# Altium PCB PCB_15122020_01CA.PcbDoc (part 4 of 5)
Units mm, origin at the board's own origin, x right, y up, seen from the top; angles counter-clockwise.
Board outline 139.36 x 118 mm, 4 copper layers (Top Layer, Layer 1, Layer 2, Bottom Layer), stack 1.57 mm thick; 384 components, 409 nets, 1580 pads, 1084 vias.
Unrouted connection lines stored in the file: 7.
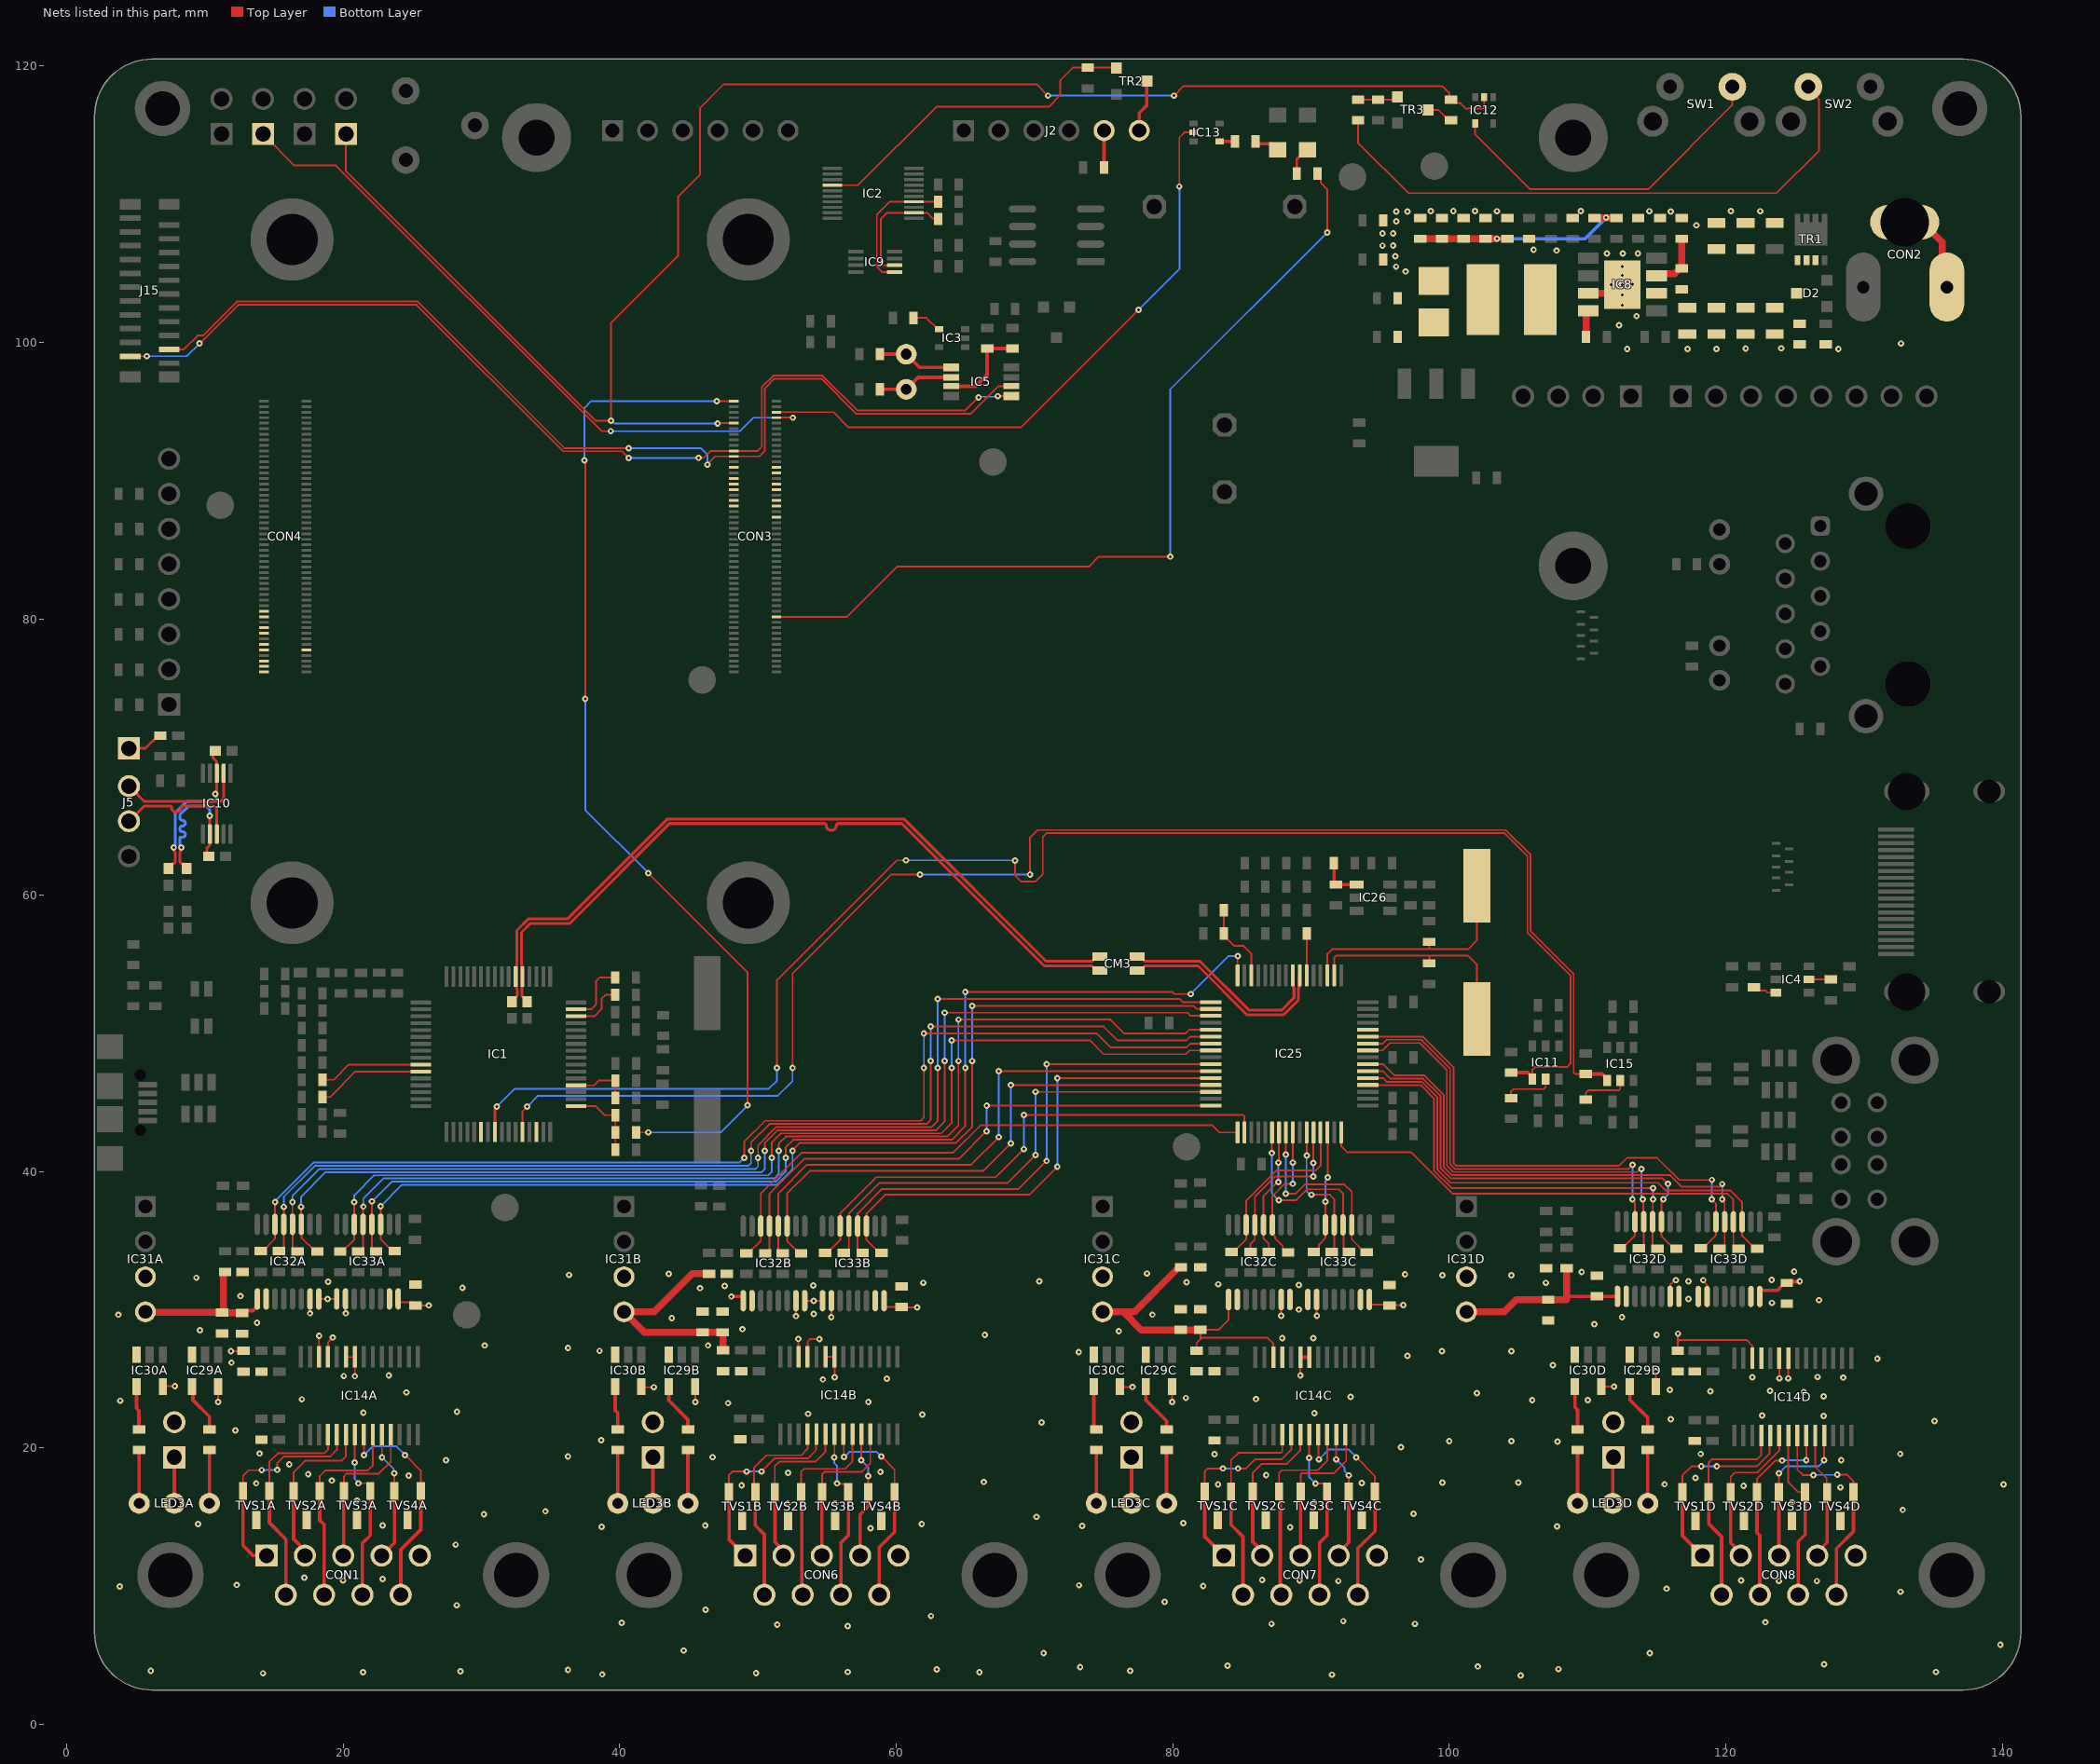
[diagram p6: the nets of this part, all layers, seen from the top]

## Via types
v1: diameter 0.46, hole 0.2, Top Layer to Bottom Layer, tented both sides, 1072 vias
v2: diameter 1.27, hole 0.711, Top Layer to Bottom Layer, tented both sides, 12 vias

## Nets (pads, with @x,y where several pads share a name; then routed paths per layer and width w, separated by ;. In a path a pad name is that pad's centre, name@x,y a point inside that pad or via, vN(x,y) a via of type N, cw(c..) or ccw(c..) an arc to the next point about the centre after c; other vN are vias at no path point) (continued)
NetIC1_26: IC1.26 R3.1 | length 7.6
  Top Layer w0.127: R3.1@18.496,46.65 19.321,46.65 20.415,47.744 IC1.26@25.608,47.744
NetIC1_27: IC1.27 R2.1 | length 7.9
  Top Layer w0.127: R2.1@18.496,45.4 19.046,45.4 20.89,47.244 IC1.27@25.608,47.244
NetIC1_52: IC1.52 R75.1 R76.1 | length 4.3
  Top Layer w0.127: IC1.52@36.834,46.244 38.144,46.244 38.5,46.6 39.674,46.6 R75.1@39.687,46.587 R76.1@39.687,45.337
NetIC1_62: IC1.62 R67.1 | length 3.9
  Top Layer w0.127: IC1.62@36.834,51.244 38.174,51.244 38.69,51.761 38.69,52.505 38.981,52.796 R67.1@39.671,52.796
NetIC1_63: IC1.63 R66.1 | length 4.8
  Top Layer w0.127: IC1.63@36.834,51.744 37.944,51.744 38.3,52.1 38.3,53.8 38.546,54.046 R66.1@39.671,54.046
NetIC3_4: IC3.4 R78.1 | length 2.2
  Top Layer w0.127: R78.1@61.25,101.775 62.185,101.775 63.01,100.95 IC3.4@63.1,100.95
NetIC4_3: IC4.3 R16.1 | length 1.7
  Top Layer w0.127: R16.1@122.051,53.35 122.288,53.114 122.871,53.114 123.034,52.95 IC4.3@123.625,52.95
NetIC4_5: IC4.5 R17.2 | length 1.6
  Top Layer w0.127: IC4.5@126.025,53.9 R17.2@127.611,53.9
NetIC8_3: IC8.3 R28.1 R30.1 | length 4.2
  Top Layer w0.5: IC8.3@114.989,104.825 115.14,104.976 116.3,104.976 116.674,105.35 R28.1@116.824,105.35 R30.1@116.824,107.5
NetIC8_8: IC8.8 L1.1 R26.2 | length 2
  Top Layer w0.5: R26.2@109.899,100.4 109.899,102.134 110.05,102.285 IC8.8@110.059,102.285
NetIC11_5: IC11.5 R71.1 | length 3.7
  Top Layer w0.127: R71.1@104.475,45.321 104.475,45.8 104.646,45.971 106.846,45.971 106.975,46.1 IC11.5@106.975,46.69
NetIC12_4: IC12.4 SW1.1 | length 24.9
  Top Layer w0.127: IC12.4@101.877,115.843 101.877,115.048 105.85,111.075 114.393,111.075 120.475,117.157 SW1.1@120.475,118.5
NetIC13_4: IC13.4 R47.2 | length 1.1
  Top Layer w0.254: IC13.4@83.405,114.545 R47.2@84.502,114.545
NetIC15_5: IC15.5 R73.1 | length 3.7
  Top Layer w0.127: R73.1@109.873,45.225 109.873,45.7 110.073,45.9 112.285,45.9 112.355,45.971 112.355,45.986 112.373,46.004 IC15.5@112.373,46.594
NetIC25_6: IC25.6 R111.2 | length 3
  Top Layer w0.127: IC25.6@89.687,54.201 89.687,57.201 R111.2@89.707,57.221
NetIC25_14: IC25.14 R109.2 R110.2 | length 5.9
  Top Layer w0.127: R109.2@83.707,58.921 R110.2@83.707,57.221 83.707,57.071 84.428,56.35 85.1,56.35 85.687,55.763 IC25.14@85.687,54.201
NetIC26_1: IC26.1 R112.1 R115.1 | length 3.1
  Top Layer w0.254: R112.1@91.666,62.321 91.666,60.921 R115.1@91.816,60.771 IC26.1@93.316,60.771
NetIC29A_4: IC29A.4 R55A.2 | length 3.6
  Top Layer w0.254: IC29A.4@9.05,24.45 9.131,24.369 9.131,23.469 10.325,22.275 R55A.2@10.325,21.35
NetIC29B_4: IC29B.4 R55B.2 | length 3.7
  Top Layer w0.254: IC29B.4@43.55,24.45 43.55,23.45 44.937,22.063 R55B.2@44.937,21.35
NetIC29C_4: IC29C.4 R55C.2 | length 3.7
  Top Layer w0.254: IC29C.4@78.05,24.45 78.056,24.444 78.056,23.469 79.556,21.969 R55C.2@79.556,21.35
NetIC29D_4: IC29D.4 R55D.2 | length 3.6
  Top Layer w0.254: IC29D.4@113.05,24.45 113.081,24.419 113.081,23.469 114.365,22.185 R55D.2@114.365,21.35
NetIC30A_4: IC30A.4 R62A.1 | length 3.2
  Top Layer w0.254: IC30A.4@5.049,24.45 5.049,22.876 5.225,22.7 R62A.1@5.225,21.35
NetIC30B_4: IC30B.4 R62B.1 | length 3.2
  Top Layer w0.254: IC30B.4@39.668,24.45 39.668,22.732 39.857,22.543 R62B.1@39.857,21.35
NetIC30C_4: IC30C.4 R62C.1 | length 3.2
  Top Layer w0.254: IC30C.4@74.286,24.45 74.286,21.523 74.459,21.35 R62C.1@74.476,21.35
NetIC30D_4: IC30D.4 R62D.1 | length 3.2
  Top Layer w0.254: IC30D.4@109.095,24.45 109.095,22.955 109.285,22.765 R62D.1@109.285,21.35
NetJ2_5: J2.5 R1.1 | length 2.7
  Top Layer w0.254: R1.1@75.025,112.65 75.03,112.655 75.03,115.32 J2.5@75.035,115.325
NetJ2_6: J2.6 TR2.3 | length 3.8
  Top Layer w0.254: J2.6@77.575,115.325 77.575,116.6 78.125,117.15 TR2.3@78.125,118.9
NetJ5_1: J5.1 R104.2 | length 2.7
  Top Layer w0.192: J5.1@4.5,70.625 5.693,70.625 6.618,71.55 R104.2@6.768,71.55
NetJ12A_1: J12A.1 LED3A.2 | length 3.3
  Top Layer w0.254: LED3A.2@7.779,16 J12A.1@7.779,19.33
NetJ12B_1: J12B.1 LED3B.2 | length 3.3
  Top Layer w0.254: LED3B.2@42.397,16 J12B.1@42.397,19.33
NetJ12C_1: J12C.1 LED3C.2 | length 3.3
  Top Layer w0.254: LED3C.2@77.016,16 J12C.1@77.016,19.33
NetJ12D_1: J12D.1 LED3D.2 | length 3.4
  Top Layer w0.254: LED3D.2@111.825,16 111.825,19.28 J12D.1@111.875,19.33
NetLED1_2: LED1.2 R47.1 | length 1.8
  Top Layer w0.254: R47.1@86.002,114.545 86.002,114.541 86.175,114.368 87.154,114.368 LED1.2@87.577,113.945
NetLED2_2: LED2.2 R48.2 | length 2.1
  Top Layer w0.192: R48.2@88.975,112.225 88.975,113.243 89.677,113.945 LED2.2@89.752,113.945
NetLED3A_1: LED3A.1 R55A.1 | length 3.9
  Top Layer w0.254: LED3A.1@10.319,16 10.319,19.844 R55A.1@10.325,19.85
NetLED3A_3: LED3A.3 R62A.2 | length 3.9
  Top Layer w0.254: R62A.2@5.225,19.85 5.239,19.836 LED3A.3@5.239,16
NetLED3B_1: LED3B.1 R55B.1 | length 3.8
  Top Layer w0.254: LED3B.1@44.937,16 R55B.1@44.937,19.85
NetLED3B_3: LED3B.3 R62B.2 | length 3.8
  Top Layer w0.254: LED3B.3@39.857,16 R62B.2@39.857,19.85
NetLED3C_1: LED3C.1 R55C.1 | length 3.8
  Top Layer w0.254: LED3C.1@79.556,16 R55C.1@79.556,19.85
NetLED3C_3: LED3C.3 R62C.2 | length 3.8
  Top Layer w0.254: LED3C.3@74.476,16 R62C.2@74.476,19.85
NetLED3D_1: LED3D.1 R55D.1 | length 3.8
  Top Layer w0.254: LED3D.1@114.365,16 R55D.1@114.365,19.85
NetLED3D_3: LED3D.3 R62D.2 | length 3.8
  Top Layer w0.254: LED3D.3@109.285,16 R62D.2@109.285,19.85
NetR44_2: R44.2 TR3.3 | length 2
  Top Layer w0.127: TR3.3@98.452,116.818 99.222,116.818 99.972,116.068 R44.2@100.122,116.068
NetR45_1: R45.1 R46.1 TR3.1 | length 2.9
  Top Layer w0.127: R45.1@93.402,117.568 R46.1@94.852,117.568 96.052,117.568 TR3.1@96.252,117.768
NetR45_2: R45.2 SW2.2 | length 42.7
  Top Layer w0.127: R45.2@93.402,116.068 93.402,114.448 97.05,110.8 123.676,110.8 126.75,113.875 126.75,117.592 125.975,118.367 SW2.2@125.975,118.5
nEXTRST: CON3.100 R91.1 | length 75.2
  Top Layer w0.127: v1(37.45,91.475) 37.5,91.425 v1(37.5,74.2) ; R91.1@41.187,42.837 41.191,42.841 v1(42.068,42.841) ; v1(42.068,61.6) 42.068,61.58 49.25,54.398 v1(49.25,44.8) ; v1(47.023,95.752) CON3.100@48.257,95.752
  Bottom Layer w0.127: v1(37.45,91.475) 37.45,95.275 37.925,95.75 47.021,95.75 v1(47.023,95.752) ; v1(37.5,74.2) 37.5,66.168 v1(42.068,61.6) ; v1(42.068,42.841) 47.291,42.841 v1(49.25,44.8)
nRPIBOOT: CON3.93 J17.1 | length 48.8
  Top Layer w0.127: J17.1@14.196,115.075 16.471,112.8 19.471,112.8 38.696,93.575 v1(39.35,93.575) ; CON3.93@51.337,94.552 v1(52.525,94.552)
  Bottom Layer w0.127: v1(39.35,93.575) 48.673,93.575 49.65,94.552 v1(52.525,94.552)
nRTC_INT: C1.1 IC5.3 R14.1 | length 6.6
  Top Layer w0.254: IC5.3@63.975,96.833 65.732,96.833 66.575,97.675 66.575,99.525 C1.1@66.6,99.55 R14.1@68.402,99.55
OSC_N1: IC1.46
OSC_N2: IC1.44 IC15.4 R72.1 | length 109.5
  Top Layer w0.127: IC1.44@32.971,42.881 32.971,44.371 v1(33.3,44.7) ; v1(52.5,47.5) 52.5,54.346 59.654,61.5 v1(61.715,61.5) ; v1(69.685,61.5) 69.685,64.185 70.219,64.719 71.452,64.719 104.089,64.719 105.889,62.92 105.889,57.4 109,54.289 109,47.194 109.13,47.064 R72.1@109.873,47.064
  Top Layer w0.254: R72.1@109.873,47.064 111.078,47.064 111.423,46.719 IC15.4@111.423,46.594
  Bottom Layer w0.127: v1(33.3,44.7) 34.096,45.496 51.436,45.496 52.5,46.56 v1(52.5,47.5) ; v1(61.715,61.5) v1(69.685,61.5)
OSC_N3: IC1.40 IC11.4 R70.1 | length 114.7
  Top Layer w0.127: v1(51.375,47.5) 51.375,53.867 60.033,62.525 v1(60.7,62.525) ; v1(68.6,62.5) 68.6,61.425 69.025,61 70.094,61 70.6,61.506 70.6,64.216 70.875,64.491 71.452,64.491 103.995,64.491 105.66,62.825 105.66,57.305 108.766,54.2 108.766,47.817 108.513,47.564 106.2,47.564 106.025,47.389 106.025,46.815 IC11.4@106.025,46.69
  Top Layer w0.206: IC1.40@30.971,42.881 30.971,44.502 31.1,44.631 v1(31.1,44.7)
  Top Layer w0.254: R70.1@104.475,47.16 105.68,47.16 IC11.4@106.025,46.815
  Bottom Layer w0.127: v1(31.1,44.7) 32.393,45.993 50.777,45.993 51.375,46.591 v1(51.375,47.5) ; v1(60.7,62.525) 68.575,62.525 v1(68.6,62.5)
OSC_N4: IC1.38
OSCI: C4.1 IC5.1 XTAL1.1 | length 5.5
  Top Layer w0.254: C4.1@58.825,99.15 58.83,99.145 XTAL1.1@60.725,99.145 61.677,98.193 IC5.1@63.975,98.193
OSCI_1: C91.2 IC25.2 XTAL3.2 | length 16.4
  Top Layer w0.127: IC25.2@91.687,54.201 91.687,55.487 91.825,55.625 98.575,55.625 ; C91.2@98.559,55.075 98.559,55.609 98.575,55.625 ; XTAL3.2@102,51.036 102,55 101.375,55.625 98.575,55.625
OSCO: C5.1 IC5.2 XTAL1.2 | length 5.5
  Top Layer w0.254: C5.1@58.825,96.6 58.83,96.605 XTAL1.2@60.725,96.605 61.587,97.468 IC5.2@63.975,97.468
OSCO_1: C94.2 IC25.3 XTAL3.1 | length 17.3
  Top Layer w0.127: IC25.3@91.187,54.201 91.187,55.762 91.525,56.1 98.55,56.1 ; C94.2@98.559,56.625 98.559,56.109 98.55,56.1 ; XTAL3.1@102,60.688 102,56.725 101.375,56.1 98.55,56.1
P3: IC2.14 R6.1 TR2.1 | length 24.7
  Top Layer w0.127: IC2.14@55.375,111.375 57.23,111.375 62.905,117.05 71.025,117.05 71.875,117.9 71.875,118.975 72.775,119.875 R6.1@73.85,119.875 75.9,119.875 TR2.1@75.925,119.85
PCIe_CLK_N: CON4.12
PCIe_CLK_nREQ: CON4.2
PCIe_CLK_P: CON4.10
PCIe_nRST: CON4.9
PCIe_RX_N: CON4.18
PCIe_RX_P: CON4.16
PCIe_TX_N: CON4.24
PCIe_TX_P: CON4.22
PI_LED_nPWR: CON3.95 IC13.2 | length 45.1
  Top Layer w0.127: CON3.95@51.337,94.952 55.45,94.952 56.552,93.85 69.025,93.85 v1(77.525,102.35) v1@77.55,102.375 ; v1(80.475,111.275) 80.475,114.829 80.841,115.195 IC13.2@81.505,115.195
  Bottom Layer w0.127: v1(77.525,102.35) 80.5,105.325 80.5,111.25 v1(80.475,111.275)
Pi_nLED_Activity: CON3.21 R48.1 | length 63
  Top Layer w0.127: CON3.21@51.337,80.152 56.431,80.152 60.053,83.775 73.925,83.775 74.65,84.5 v1(79.821,84.5) ; R48.1@90.475,112.225 90.712,111.989 90.712,111.538 91.179,111.071 v1(91.179,107.95)
  Bottom Layer w0.127: v1(79.821,84.5) 79.821,96.592 v1(91.179,107.95)
POWER_+5V: C11.1 C12.1 C13.1 C14.1 C15.1 C16.1 C18.1 L1.2 R27.2 R49.1 R50.1 | length 16.4
  Top Layer w0.254: v1(103.45,107.5) C12.1@104.206,107.5
  Top Layer w0.5: C18.1@97.897,107.5 C15.1@99.474,107.5 C14.1@101.052,107.5 C13.1@102.629,107.5 v1(103.45,107.5) ; C11.1@110.515,109 R27.2@112.092,109
  Bottom Layer w0.254: v1(103.45,107.5) 109.831,107.5 v1(111.356,109.025)
POWER_+12V: C9.1 C17.2 C19.2 C20.2 C21.2 C22.2 C23.2 D2.3 IC8.2 R28.2 TR1.1
POWER_GND: C8.2 C9.2 C12.2 C13.2 C14.2 C15.2 C16.2 C17.1 C18.2 C19.1 C20.1 C21.1 C22.1 C23.1 C26.2 C27.2 C28.2 CON2.2 CON2.3 IC8.7 IC8.9 R23.1 R30.2 R31.1 R53.1 R54.1 | length 9.4
  Top Layer w0.5: IC8.7@110.059,103.555 111.889,103.555 v1(112.524,104.19) ; CON2.3@132.95,108.7 134.2,108.7 135.65,107.25 135.65,104.35 CON2.2@136,104
  other v1: 112.875,99.525 117.25,99.525 119.333,99.525 128.15,99.525 121.441,99.55 124.025,99.575 132.675,99.913 112.275,101.25 113.55,101.9 112.525,102.7 112.525,103.425 111.713,104.175 113.275,104.2 112.524,104.85 96.85,105.132 96.157,105.475 112.525,105.494 96.1,106.225 111.399,106.425 112.55,106.425 113.649,106.425 107.775,106.65 106.1,106.7 95.175,106.995 95.95,107 95.175,107.875 95.95,107.875 117.875,108.475 96.175,108.75 96.175,109.475 96.975,109.475 103.45,109.487 114.475,109.487 116.025,109.475 122.497,109.487 98.675,109.5 100.3,109.5 101.873,109.5 109.525,109.5 120.375,109.5
PWREN_1: IC25.60
Reserved_1: CON3.76
Reserved_2: CON4.4
Reserved_3: CON4.6
RESET: C30.1 IC1.49 R4.1 R91.2 | length 5.6
  Top Layer w0.127: IC1.49@36.834,44.744 38.249,44.744 38.906,44.087 C30.1@39.687,44.087 R91.2@39.687,42.837 R4.1@39.687,41.587
RS232_+5VA: C39A.1 C45A.1 C119A.1 C121A.1 IC14A.22 IC14A.23 IC14A.26 IC29A.5 IC30A.5 IC31A.4 IC32A.1 IC32A.7 IC33A.10 IC33A.16 R56A.2 | length 23.1
  Top Layer w0.127: IC30A.5@6.949,24.45 6.974,24.475 v1(7.825,24.475) ; v1(10.95,23.325) IC29A.5@10.95,24.45 ; v1(11.875,27) 12.747,27 C45A.1@12.786,27.039 ; v1(17.6,29.751) IC32A.7@17.599,30.788 ; IC14A.26@18.241,26.589 18.246,26.593 18.246,28.121 v1(18.25,28.125) ; IC33A.10@20.164,30.789 20.17,30.783 20.17,29.758 v1(20.176,29.751) ; IC14A.23@20.191,26.589 IC14A.22@20.841,26.589 v1(20.841,25.2) ; IC33A.16@23.974,30.789 23.974,30.68 24.1,30.554 24.989,30.554 C121A.1@25.225,30.317 25.233,30.325 v1(26.175,30.325)
  Top Layer w0.254: C119A.1@12.675,29.775 12.848,29.948 13.483,29.948 13.789,30.254 IC32A.1@13.789,30.789
  Top Layer w0.5: IC31A.4@5.689,29.855 5.716,29.828 C39A.1@11.197,29.828 ; R56A.2@11.456,32.739 11.39,32.739 11.34,32.689 11.34,29.85 11.318,29.828 C39A.1@11.197,29.828 ; C119A.1@12.675,29.775 12.662,29.788 11.237,29.788 C39A.1@11.225,29.8 C39A.1@11.197,29.828
RS232_+5VB: C39B.1 C45B.1 C119B.1 C121B.1 IC14B.22 IC14B.23 IC14B.26 IC29B.5 IC30B.5 IC31B.4 IC32B.1 IC32B.7 IC33B.10 IC33B.16 R56B.2 | length 28.1
  Top Layer w0.127: IC30B.5@41.568,24.45 41.618,24.4 v1(42.475,24.4) ; IC29B.5@45.45,24.45 45.475,24.425 v1(45.475,23.325) ; IC32B.7@52.742,30.664 52.747,30.658 52.747,29.557 v1(52.753,29.551) ; v1(52.925,27.9) 52.93,27.895 52.93,26.618 IC14B.26@52.934,26.614 ; IC14B.23@54.884,26.614 IC14B.22@55.534,26.614 55.542,26.606 55.542,25.133 v1(55.55,25.125) ; v1(55.3,29.475) 55.303,29.478 55.303,30.66 IC33B.10@55.307,30.664 ; IC33B.16@59.117,30.664 59.117,30.326 59.243,30.2 C121B.1@60.375,30.2 60.4,30.175 v1(61.525,30.175)
  Top Layer w0.254: v1(48.075,30.967) 48.864,30.967 48.932,30.9 IC32B.1@48.932,30.664
  Top Layer w0.5: R56B.2@46.454,32.614 45.244,32.614 42.485,29.855 IC31B.4@40.307,29.855 41.787,28.375 C39B.1@46,28.375 C119B.1@47.45,28.375 47.465,28.36 47.465,27.078 C45B.1@47.479,27.064
RS232_+5VC: C39C.1 C45C.1 C119C.1 C121C.1 IC14C.22 IC14C.23 IC14C.26 IC29C.5 IC30C.5 IC31C.4 IC32C.1 IC32C.7 IC33C.10 IC33C.16 R56C.2 | length 35.7
  Top Layer w0.127: IC30C.5@76.186,24.45 76.211,24.425 v1(77.1,24.425) ; v1(79.95,23.325) IC29C.5@79.95,24.45 ; C45C.1@81.724,27.05 81.724,27.6 82,27.876 ; IC32C.1@84.035,30.751 84.035,29.285 83.3,28.55 C119C.1@82,28.55 82,27.876 ; IC14C.26@87.279,26.575 87.279,27.557 86.857,27.979 82.102,27.979 82,27.876 ; IC32C.7@87.845,30.751 87.848,30.749 87.848,29.577 v1(87.85,29.575) ; IC14C.23@89.229,26.575 89.233,26.571 89.233,25.254 v1(89.237,25.25) ; IC33C.10@90.41,30.751 90.418,30.744 90.418,29.582 v1(90.425,29.575) ; IC33C.16@94.22,30.751 94.22,30.501 94.346,30.375 95.6,30.375 C121C.1@95.675,30.3 95.725,30.35 v1(96.675,30.35)
  Top Layer w0.254: IC14C.23@89.229,26.575 IC14C.22@89.879,26.575
  Top Layer w0.5: R56C.2@80.6,33.075 80.45,33.075 77.23,29.855 IC31C.4@74.926,29.855 74.936,29.845 76.43,29.845 77.725,28.55 C39C.1@80.575,28.55 C119C.1@82,28.55
RS232_+5VD: C39D.1 C45D.1 C119D.1 C121D.1 IC14D.22 IC14D.23 IC14D.26 IC29D.5 IC30D.5 IC31D.4 IC32D.1 IC32D.7 IC33D.10 IC33D.16 R56D.2 | length 32.6
  Top Layer w0.127: IC30D.5@110.995,24.45 v1(111.925,24.45) ; IC29D.5@114.95,24.45 v1(114.95,25.55) ; IC32D.7@115.983,30.975 115.983,31.817 116.316,32.15 v1(116.4,32.15) ; C45D.1@116.538,27.042 116.538,27.713 ; v1(116.55,28.275) 116.538,28.263 116.538,27.713 ; v1(118.375,32.15) 118.375,32.096 118.654,31.817 IC33D.10@118.654,30.967 ; IC14D.26@121.927,26.492 121.927,27.397 121.498,27.825 116.65,27.825 116.538,27.713 ; v1(123.877,25.042) IC14D.23@123.877,26.492 ; v1@124.526,25.043 IC14D.22@124.527,26.492
  Top Layer w0.254: 108.504,30.747 108.731,30.975 C119D.1@110.675,30.975 IC32D.1@112.173,30.975 ; IC33D.16@122.464,30.967 122.496,31 122.496,31.015 122.531,31.05 122.531,31.415 123.74,31.415 124.275,31.95 C121D.1@124.425,31.95 124.511,32.036 125.311,32.036 v1(125.35,32.075)
  Top Layer w0.5: IC31D.4@101.25,29.855 103.978,29.855 104.855,30.732 C39D.1@107.157,30.732 107.163,30.738 108.501,30.738 108.507,30.744 108.504,30.747 108.504,32.996 R56D.2@108.5,33
  other v1: 124.525,25.042
RS232_GNDA: C39A.2 C45A.2 C47A.2 C49A.2 C119A.2 C121A.2 CON1.5 IC14A.25 IC29A.3 IC30A.3 IC31A.3 IC32A.2 IC32A.8 IC33A.9 IC33A.15 J12A.2 R57A.2 TVS1A.3 TVS2A.3 TVS3A.3 TVS4A.3 | length 2.9
  Top Layer w0.127: IC32A.8@18.234,30.789 v1(18.875,30.789) IC33A.9@19.529,30.789 ; IC14A.25@18.892,26.59 18.892,27.642 v1(19.25,28)
  other v1: 14.196,3.7 21.425,3.775 28.475,3.85 6.075,3.875 36.25,3.95 28.2,8.625 3.825,9.975 12.3,10.1 19.975,10.425 22.85,10.525 17.175,10.625 28.125,13.008 22.85,14.4 9.5,14.5 30.175,15.2 34.625,15.425 21,16.2 13.7,17.45 19.175,17.65 24.725,18.011 17.469,18.1 16.092,18.822 27.425,19.113 36.25,19.39 13.95,19.608 12.2,21.275 21.45,22.568 28.225,22.625 3.875,23.425 17,23.525 24.562,24.025 20.037,25.207 23.3,25.254 11.912,26.182 36.25,27.242 30.225,27.425 9.625,28.532 13.762,29.057 3.725,29.651 12.575,31 28.625,31.6 18.9,32.025 9.378,32.325 36.325,32.525
RS232_GNDB: C39B.2 C45B.2 C47B.2 C49B.2 C119B.2 C121B.2 CON6.5 IC14B.25 IC29B.3 IC30B.3 IC31B.3 IC32B.2 IC32B.8 IC33B.9 IC33B.15 J12B.2 R57B.2 TVS1B.3 TVS2B.3 TVS3B.3 TVS4B.3 | length 3.3
  Top Layer w0.127: IC32B.8@53.377,30.664 53.391,30.65 v1(54.025,30.65) 54.658,30.65 IC33B.9@54.672,30.664 ; IC14B.25@53.584,26.614 53.584,27.684 53.794,27.894 v1(54.45,27.894)
  other v1: 38.74,3.625 49.865,3.725 66.015,3.775 56.502,3.8 62.94,3.975 70.665,5.175 44.615,5.35 56.502,7.125 51.39,7.225 40.14,7.35 62.515,7.85 46.216,8.3 58.14,14.2 38.69,14.3 46.19,14.4 61.84,14.5 70.14,15.025 52.165,15.975 55.59,16 48.821,17.3 66.34,17.55 52.175,18.207 58.865,18.28 46.715,19.34 38.665,20.564 70.515,21.85 61.89,22.425 53.622,22.475 47.84,23.25 57.99,23.336 54.69,24.965 59.333,25.015 38.54,27.028 46.39,27.425 66.415,28.2 48.865,28.609 43.765,29.4 54.04,29.701 45.809,31.575 47.59,31.725 53.99,31.767 61.95,31.95 70.34,32.064 43.54,32.6
RS232_GNDC: C39C.2 C45C.2 C47C.2 C49C.2 C119C.2 C121C.2 CON7.5 IC14C.25 IC29C.3 IC30C.3 IC31C.3 IC32C.2 IC32C.8 IC33C.9 IC33C.15 J12C.2 R57C.2 TVS1C.3 TVS2C.3 TVS3C.3 TVS4C.3
  other v1: 105.175,3.55 91.525,3.6 76.925,3.875 73.3,4.15 102.075,4.2 83.975,4.25 87.15,7.275 97.525,7.275 92.338,7.475 79.425,8.875 82.2,10.025 73.225,10.075 91.975,10.375 89.175,10.425 86.475,10.45 97.95,11.95 88.5,14.275 73.45,14.375 80.775,14.575 97.425,15.239 90.225,16.05 83.275,17.375 93.675,17.475 99.5,17.5 105,17.5 86.75,18.048 83.025,19.549 96.5,20.075 90.25,22.525 86.025,23.55 80.95,23.625 92.875,23.7 96.975,26.674 73.2,26.939 87.925,27.95 90.162,27.954 76.1,28.455 78.525,29.65 89.125,30.025 89.125,31.792 83.3,31.851 81,32 96.8,32.575 78.125,32.625
RS232_GNDD: C39D.2 C45D.2 C47D.2 C49D.2 C119D.2 C121D.2 CON8.5 IC14D.25 IC29D.3 IC30D.3 IC31D.3 IC32D.2 IC32D.8 IC33D.9 IC33D.15 J12D.2 R57D.2 TVS1D.3 TVS2D.3 TVS3D.3 TVS4D.3
  other v1: 135.2,3.8 107.9,4.005 127.125,4.355 114.5,5.155 139.875,5.775 122.875,7.405 132.65,9.6 115.725,9.83 123.85,10.375 126.596,10.375 121.125,10.425 107.8,14.33 132.8,15.525 124.8,16.075 128.302,17.15 121.3,17.275 115.575,17.38 140.1,17.375 117.823,17.834 128.35,19.113 118.2,19.575 132.625,19.575 107.825,20.48 100,20.5 104.5,20.5 135.1,21.95 116.025,22.08 127.075,22.325 122.637,22.35 106,23.48 110.02,23.48 127.075,23.75 102,23.965 125.65,24.063 118.9,24.1 123.2,24.15 115.95,24.209 128.5,25.1 121.925,25.125 126.65,25.142 107.5,26 130.975,26.475 99.484,27 104.5,27 115,28.2 110.5,28.975 112.5,29.475 123.35,30.5 126.75,30.7 117.301,30.775 107,31.95 117.301,32.064 123.325,32.175 99.5,32.5 104.5,32.5 109.575,32.75 124.949,32.775